# KiCad board STM32.kicad_pcb (continued)
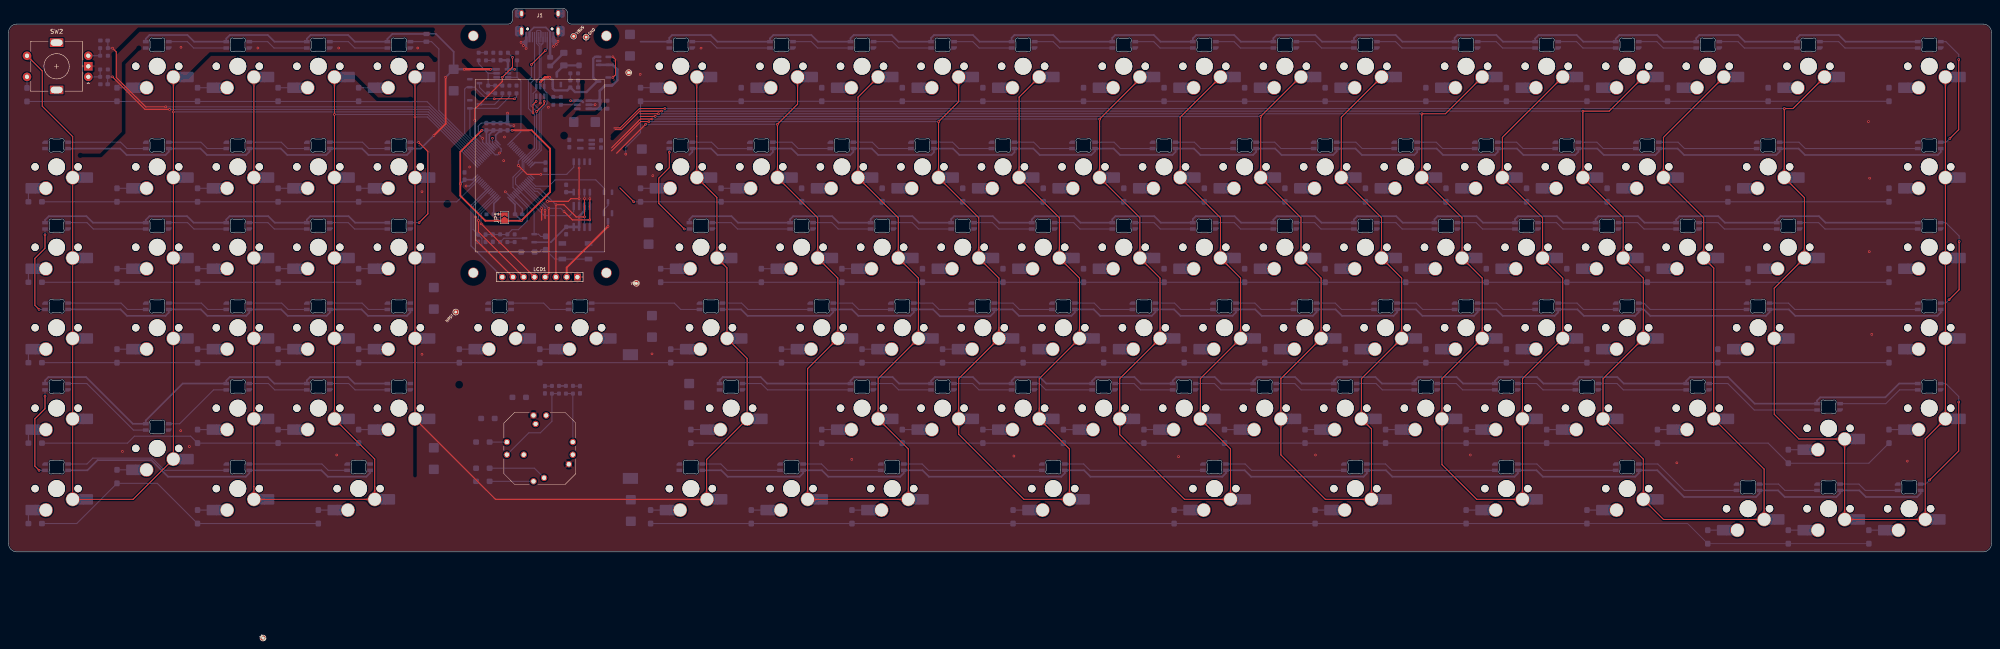
[diagram p0: board, top side]
## Routing (per net, layer and track width the routed paths; a pad name or vN(x,y) marks a point on that pad's centre or on a via; arc(x,y) is an arc through that point) (continued)
VBAT: length 6.1
  Top w0.4: v1(115.83,79.95) 117.13,79.95
  Bottom w0.4: C8.1 v1(115.83,79.95) ; 114.79,80.25 114.79,82.49 U6.1
VBUS: length 22.1
  Bottom w0.6: R4.1 139.84,109.19 141.1,110.45 Q2.2 142.75,110.45 144,111.7 144,114.26 142.92,115.34 U3.5 U3.1 ; R4.1 139.89,106.8 C15.1 U7.3 ; R4.1 U7.1
VDD: length 8.5
  Bottom w0.55: v1(132.95,106.85) U7.6 135.55,106.85 135.9,106.5 ; C23.1 118.08,116.44 ; v1(119.73,114.29) U8.1 118.13,114.31 R18.1
(no net): length 14.2
  Bottom w0.25: 195.08,58.92 199.59,58.92 201.09,57.42 208.68,57.42
BOARD_NFAULT: length 2.1
  Top w0.25: 114.49,97.95 v1(114.48,97.95)
  Bottom w0.25: 141.65,106.84 R4.2 ; v1(114.48,97.95) 114.48,96.81 U6.30
BOOT0: length 18.7
  Bottom w0.25: U6.61 122.7,81.52 122.7,78.4 120.6,76.3 119.1,76.3 R2.2 117.95,75.15 C13.2
BOOT0_CHRG: length 14.5
  Bottom w0.25: D120.2 127.02,74.7 125.9,74.7 125.36,75.24 Q3.1 124.34,80.59 U6.60
CC1: length 45.8
  Top w0.25: v1(124.82,106.7) 124.05,105.93 v1(124.05,103.95) ; v1(126.98,118.7) v1(123.68,115.4)
  Bottom w0.25: J1.B5 127.43,119.15 v1(126.98,118.7) ; v1(123.68,115.4) 123.68,112.4 122.98,111.7 122.98,105.02 v1(124.05,103.95) 124.4,103.6 124.4,95.63 U6.43 121.5,92.74 121.5,90.92 119.33,88.75 119.33,86.3 U6.59 ; v1(124.82,106.7) U1.3
CC2: length 43.7
  Top w0.25: v1(126.72,106.7) 126.72,106.1 v1(124.91,104.29)
  Bottom w0.25: 124.42,121.9 124.42,111.94 123.58,111.1 123.58,105.62 v1(124.91,104.29) 124.91,95.44 U6.44 121.9,92.43 121.9,90.5 119.93,88.53 119.93,87.11 U6.57 ; 124.43,121.5 124.42,121.5 ; v1(126.72,106.7) U1.1
COL0: length 305
  Top w0.25: SW2.S1 7.99,113.89 7.99,105.55 15.19,98.36 15.19,12.45 MX100.1 29.48,12.45 MX82.1 39,21.98 v1(39,104.2) 39,112.45 MX1.1
  Bottom w0.25: U6.19 99.31,104.2 v1(39,104.2)
COL1: length 271.2
  Top w0.25: MX3.1 77.1,112.45 v1(77.1,103.6) 77.1,31.5 MX84.1 86.63,21.97 86.63,15.52 86.62,15.52 86.62,14.46 86.63,14.45 86.63,12.45 MX101.1 58.05,12.45 58.05,15.52 58.05,15.52 58.05,33.5 58.05,33.51 58.05,112.45 MX2.1
  Bottom w0.25: v1(77.1,103.6) 99.2,103.6 U6.18
COL2: length 286.1
  Top w0.25: 162.73,112.46 MX5.1 162.8,112.43 162.8,88.68 MX25.1 167.56,83.91 167.56,69.63 MX45.1 169.94,67.25 169.94,50.58 MX67.1 174.7,45.81 174.7,31.53 MX86.1 165.13,21.89 165.13,12.53 MX103.1 115.2,12.45 MX85.1 96.15,31.5 v1(96.15,103) 96.15,112.45 MX4.1
  Bottom w0.25: v1(96.15,103) 99.1,103 U6.17
COL3: length 290.4
  Top w0.25: MX7.1 200.92,107.69 200.92,88.65 MX27.1 210.45,79.13 210.45,69.6 MX47.1 215.21,64.84 215.21,50.55 MX69.1 205.69,41.02 205.69,31.5 MX87.1 212.83,24.36 212.83,12.45 MX105.1 MX104.1 189.02,12.45 189.02,43.4 MX68.1 196.16,50.55 196.16,64.84 MX46.1 191.4,69.6 191.4,79.13 MX26.1 181.87,88.65 v1(181.87,101.28) 186.64,106.04 MX6.1 ; 143.83,94.4 v1(150.71,101.28)
  Bottom w0.25: v1(181.87,101.28) v1(150.71,101.28)
COL4: length 324
  Top w0.25: MX9.1 239.02,107.69 239.02,88.65 MX29.1 248.55,79.13 248.55,69.6 MX49.1 253.31,64.84 253.31,50.55 MX71.1 243.79,41.02 243.79,31.5 MX89.1 250.93,24.36 250.93,12.45 MX106.1 240.16,12.45 224.74,27.86 MX88.1 224.74,31.5 224.74,41.02 MX70.1 234.27,52.55 234.26,52.56 234.26,64.84 MX48.1 229.5,71.6 229.5,71.61 229.5,79.13 MX28.1 219.97,88.65 219.97,101.86 224.74,106.63 MX8.1 ; 142.66,95 149.56,101.9 v1(151.47,101.9)
  Bottom w0.25: v1(219.97,101.9) v1(151.47,101.9)
COL5: length 366.1
  Top w0.25: MX10.1 267.6,112.03 v1(258.07,102.5) 258.07,88.65 MX30.1 267.6,79.13 267.6,69.6 MX50.1 272.36,64.84 272.36,50.55 MX72.1 262.84,41.02 262.84,31.5 MX90.1 262.84,27.77 278.16,12.45 MX107.1 289.03,12.45 289.03,24.36 MX91.1 281.89,31.5 281.89,41.02 MX73.1 291.41,50.55 291.41,64.84 MX51.1 286.65,69.6 286.65,79.13 MX31.1 277.12,88.65 277.12,102.93 MX11.1 ; v1(152.22,102.52) 149.48,102.52 142.66,95.7
  Bottom w0.25: v1(258.07,102.5) 258.06,102.52 v1(152.22,102.52)
COL6: length 390.8
  Top w0.25: MX13.1 315.22,102.93 315.22,88.65 MX33.1 324.75,79.13 324.75,69.6 MX53.1 329.51,64.84 329.51,50.55 MX75.1 319.99,41.02 319.99,31.5 MX93.1 322.37,29.12 322.37,12.45 MX108.1 311.46,12.45 300.94,22.97 MX92.1 300.94,31.5 300.94,41.02 MX74.1 310.46,50.55 310.46,64.84 MX52.1 305.7,69.6 305.7,79.13 MX32.1 296.17,88.65 v1(296.17,103.14) 305.5,112.46 MX12.1 ; 149.4,103.14 v1(152.98,103.14)
  Bottom w0.25: v1(296.17,103.14) v1(152.98,103.14)
COL7: length 434.1
  Top w0.25: 149.32,103.76 v1(153.74,103.76) ; MX15.1 353.32,98.17 353.32,88.65 MX35.1 362.85,79.13 362.85,69.6 MX55.1 367.61,64.84 367.61,50.55 MX77.1 358.09,41.02 358.09,31.5 MX95.1 358.09,31.49 358.09,12.45 MX109.1 347.26,12.45 339.04,20.66 MX94.1 339.04,31.5 339.04,41.02 MX76.1 348.56,50.55 348.56,64.84 MX54.1 343.8,69.6 343.8,79.13 MX34.1 334.27,88.65 v1(334.27,103.76) 339.86,103.76 MX14.1
  Bottom w0.25: 334.27,103.7 334.22,103.76 v1(153.74,103.76)
COL8: length 505.2
  Top w0.25: v1(154.5,104.38) 149.3,104.38 144.92,100 143.5,100 ; MX16.1 378.59,104.38 v1(372.37,104.38) 372.37,88.65 MX36.1 381.9,79.13 381.9,69.6 MX56.1 386.66,64.84 386.66,50.55 MX78.1 377.14,41.02 377.14,31.5 MX96.1 386.66,21.98 386.66,12.45 MX110.1 391.43,7.69 MX111.1 415.24,7.69 415.24,19.6 MX97.1 403.33,31.5 403.33,67.22 MX57.1 400.95,69.6 400.95,79.13 MX37.1 391.42,88.65 391.42,98.17 MX17.1
  Bottom w0.25: v1(372.37,104.38) v1(154.5,104.38)
COL9: length 532.6
  Top w0.25: 143.2,100.4 144.66,100.4 149.26,105 v1(155.26,105) ; MX19.1 458.1,112.45 458.1,31.5 MX98.1 453.34,26.73 453.34,7.69 MX113.1 MX112.1 434.29,7.69 434.29,26.73 434.29,26.73 434.29,26.74 423.47,26.74 417.62,32.58 MX79.1 417.62,50.55 417.62,62.45 MX58.1 424.76,69.6 424.76,83.89 MX38.1 420,88.65 420,104.99 v1(420.01,105) 422.07,105 MX18.1
  Bottom w0.25: v1(420.01,105) v1(155.26,105)
CURR_1500mA_OK: length 23.6
  Bottom w0.25: 109.26,105.05 115.75,105.05 118.48,107.78 R26.1 ; Q4.1 109.13,98.63 U6.25
CURR_3000mA_OK: length 32.3
  Top w0.25: v1(114.9,107.3) v1(119.7,107.3)
  Bottom w0.25: U6.24 107.9,99.15 107.9,109.6 108.35,110.05 Q6.1 110.25,110.05 113,107.3 v1(114.9,107.3) ; v1(119.7,107.3) 120.16,107.76 R27.1
CURR_LIM: length 12.2
  Bottom w0.25: 113.46,113.34 R25.1 R23.1 ; 113.46,113.34 111.21,115.59 R20.1 ; 113.46,113.34 U8.5
D+: length 34.5
  Bottom w0.25: 126.25,120.3 125.95,120 125.95,112.36 126.72,111.58 126.72,109.3 127.37,108.65 127.37,106.15 125.99,104.76 125.99,95.1 U6.46 ; 126.25,120.3 125.61,120.3 125.43,120.48 J1.A6 ; 126.25,120.3 126.43,120.48 J1.B6
D-: length 35.9
  Bottom w0.25: U6.45 125.54,95.36 125.54,104.76 124.07,106.23 124.07,108.55 124.82,109.3 124.82,111.58 125.55,112.31 125.55,119.78 124.93,120.39 J1.B7 124.93,123.33 125.1,123.5 125.71,123.5 125.93,123.28 J1.A7
EEP_CS: length 17.2
  Bottom w0.25: U6.58 126.71,79.62 132.73,79.62 133.7,80.59 U4.1
ENC1: length 2.6
  Bottom w0.25: SW2.S2 D119.1
ENC1_A: length 11.6
  Top w0.25: v1(126.9,80.9) 126.9,78.9
  Bottom w0.25: v1(126.9,80.9) 126.9,81.56 U6.55 ; 126.93,39.26 128.54,39.26 128.59,39.31
ENC1_B: length 11.5
  Top w0.25: v1(126.1,81.3) 126.1,78.53
  Bottom w0.25: 133.56,39.31 133.61,39.26 135.22,39.26 ; v1(126.1,81.3) 126.1,81.65 U6.56
ENC2_A: length 98.1
  Top w0.25: v1(38.1,104.8) 32.3,104.8 v1(24.6,112.5)
  Bottom w0.25: U6.20 99.42,104.8 v1(38.1,104.8) ; C21.2 23.46,112.45 R13.1 v1(24.6,112.5)
ENC2_B: length 104.7
  Top w0.25: v1(37.2,105.4) 32.43,105.4 25.5,112.33 25.5,118.4 v1(24.6,119.3)
  Bottom w0.25: C22.2 23.51,121.05 R16.2 v1(24.6,119.3) ; v1(37.2,105.4) 99.53,105.4 U6.21
FLASH_CS: length 18.6
  Top w0.25: v1(120.6,91.5) 122.7,89.4 v1(125.9,89.4)
  Bottom w0.25: v1(120.6,91.5) 120.6,92.54 U6.42 ; v1(125.9,89.4) 132.1,89.4 ; U2.1 133.7,91.1 132.1,89.5
LCD_BL_PWM: length 25.6
  Bottom w0.3: LCD1.8 109.4,72.47 109.4,82.05 U6.8
LCD_CS: length 24.9
  Top w0.25: v1(110.5,79.3) 110.5,73.91 LCD1.7
  Bottom w0.25: v1(110.5,79.3) 110.5,80.32 U6.4
LCD_DC: length 25.3
  Top w0.25: LCD1.6 111.15,75.8 v1(111.15,78.5)
  Bottom w0.25: v1(111.15,78.5) 111.15,80.26 U6.3
LCD_EN: length 20.7
  Bottom w0.25: U6.51 124.69,86.6 127.8,86.6 129.3,88.1 138.9,88.1 140.85,86.15 Q7.1
LCD_PWR: length 17.3
  Top w0.4: LCD1.2 132.03,67.33 v1(141.8,77.1)
  Bottom w0.4: 141.8,78.32 v1(141.8,77.1)
LCD_RST: length 25.6
  Top w0.25: v1(111.8,77.69) LCD1.5
  Bottom w0.25: v1(111.8,77.69) 111.8,80.2 U6.2
LED_EN: length 23.1
  Bottom w0.25: R19.1 120.3,112.4 ; 120.3,112.4 121.2,111.5 121.2,99.5 U6.33 ; 120.3,112.4 120.29,112.39 U8.3
LED_MTRX_IN: length 37.4
  Bottom w0.25: LED4.3 R28.2 100.07,120.83 101.8,119.1 101.8,104.54 U6.23
LED_NFAULT: length 30.4
  Top w0.25: v1(119.22,117.13) 119.22,114.81 v1(116.8,112.4) 116.8,111.4 110.3,104.9 v1(110.3,102.2)
  Bottom w0.25: v1(116.8,112.4) 115.46,112.4 U8.4 ; v1(110.3,102.2) 110.3,98.16 U6.26 ; v1(119.22,117.13) R18.2
LED_PWR: length 2440.7
  Top w0.4: v1(103.4,112.4) 103.4,101.4 v1(100.6,98.6)
  Top w0.55: v1(107.8,114.3) v1(114,114.3)
  Bottom w0.4: LED64.1 95.07,56.72 94.24,55.9 85.04,55.9 83.53,57.42 LED63.1 76.02,56.67 75.24,55.9 66.04,55.9 64.53,57.42 LED62.1 56.97,56.62 56.24,55.9 47.04,55.9 45.53,57.42 LED61.1 37.92,56.67 37.14,55.9 28.04,55.9 26.53,57.42 LED60.1 ; LED80.1 457.02,56.71 456.21,55.9 422.61,55.9 421.09,57.42 LED79.1 416.54,56.78 415.66,55.9 388.31,55.9 386.79,57.42 LED78.1 385.58,56.77 384.71,55.9 372.61,55.9 371.09,57.42 LED77.1 366.53,56.72 365.71,55.9 353.41,55.9 351.89,57.42 LED76.1 347.48,56.77 346.61,55.9 334.41,55.9 332.89,57.42 LED75.1 328.43,56.72 327.61,55.9 315.41,55.9 313.89,57.42 LED74.1 309.38,56.77 308.51,55.9 296.41,55.9 294.89,57.42 LED73.1 290.33,56.72 289.51,55.9 277.21,55.9 275.69,57.42 LED72.1 271.28,56.77 270.41,55.9 258.21,55.9 256.69,57.42 LED71.1 252.23,56.72 251.41,55.9 239.01,55.9 237.49,57.42 LED70.1 233.18,56.77 232.21,55.8 220.31,55.8 218.69,57.42 LED69.1 214.13,56.72 213.31,55.9 201.01,55.9 199.49,57.42 LED68.1 195.08,56.77 194.21,55.9 174.81,55.9 173.29,57.42 LED67.1 ; 161.01,94 161.74,94.74 LED25.1 166.19,95.52 167.71,94 180.11,94 180.79,94.69 LED26.1 185.19,95.52 186.71,94 199.11,94 199.84,94.74 LED27.1 204.19,95.52 205.71,94 218.26,94 218.89,94.64 LED28.1 223.39,95.52 224.91,94 237.31,94 237.94,94.64 LED29.1 242.39,95.52 243.91,94 256.11,94 256.99,94.89 LED30.1 261.39,95.52 262.91,94 275.31,94 276.04,94.74 LED31.1 280.39,95.52 281.91,94 294.38,94 295.09,94.71 LED32.1 299.59,95.52 301.11,94 313.31,94 314.14,94.84 LED33.1 318.59,95.52 320.11,94 332.51,94 333.19,94.69 LED34.1 337.79,95.52 339.31,94 351.53,94 352.24,94.71 LED35.1 356.79,95.52 358.31,94 370.56,94 371.29,94.74 LED36.1 375.79,95.52 377.31,94 389.51,94 390.34,94.84 LED37.1 394.79,95.52 396.31,94 418.11,94 418.92,94.81 LED38.1 423.39,95.52 424.91,94 456.31,94 457.02,94.71 LED39.1 ; v1(100.6,98.6) 97.52,95.52 LED24.1 95.07,94.82 94.24,94 85.14,94 83.63,95.52 LED23.1 76.02,94.88 75.14,94 65.94,94 64.43,95.52 LED22.1 56.97,94.77 56.19,94 46.94,94 45.43,95.52 LED21.1 37.92,94.77 37.14,94 27.94,94 26.43,95.52 LED20.1 ; 149.51,120.83 LED5.1 156.29,121.74 156.96,122.4 166.11,122.4 167.68,120.83 LED6.1 180.11,121.6 180.91,122.4 189.91,122.4 191.48,120.83 LED7.1 199.16,121.65 199.91,122.4 208.91,122.4 210.48,120.83 LED8.1 218.21,121.7 218.91,122.4 228.11,122.4 229.68,120.83 LED9.1 237.26,121.75 237.91,122.4 247.11,122.4 248.68,120.83 LED10.1 261.07,121.71 261.76,122.4 270.91,122.4 272.48,120.83 LED11.1 280.12,121.61 280.91,122.4 289.91,122.4 291.48,120.83 LED12.1 299.17,121.66 299.91,122.4 309.11,122.4 310.68,120.83 318.22,120.83 318.22,121.66 318.96,122.4 328.11,122.4 329.68,120.83 LED14.1 342.03,121.72 342.71,122.4 351.91,122.4 353.48,120.83 LED15.1 361.08,121.57 361.91,122.4 370.91,122.4 372.48,120.83 LED16.1 380.13,121.52 381.01,122.4 389.91,122.4 391.48,120.83 LED17.1 399.18,121.67 399.91,122.4 409.11,122.4 410.68,120.83 LED18.1 422.99,121.69 423.71,122.4 432.91,122.4 434.48,120.83 LED19.1 ; LED100.1 18.66,19.32 21.07,21.72 33.82,21.72 37.74,17.8 56.14,17.8 56.97,18.62 LED101.1 74.03,19.32 75.54,17.8 84.64,17.8 85.54,18.7 LED102.1 ; LED103.1 168.59,19.32 170.11,17.8 187.11,17.8 187.94,18.63 LED104.1 192.39,19.32 193.91,17.8 210.91,17.8 211.75,18.64 LED105.1 216.19,19.32 217.71,17.8 249.01,17.8 249.85,18.64 LED106.1 254.39,19.32 255.91,17.8 287.11,17.8 287.95,18.64 LED107.1 292.39,19.32 293.91,17.8 320.51,17.8 321.29,18.58 LED108.1 325.79,19.32 327.31,17.8 356.21,17.8 357.01,18.6 LED109.1 361.39,19.32 362.91,17.8 384.76,17.8 385.58,18.62 LED110.1 389.99,19.32 396.31,13 413.31,13 414.16,13.85 LED111.1 418.55,14.56 420.11,13 432.31,13 433.21,13.9 LED112.1 437.75,14.56 439.31,13 451.41,13 452.26,13.85 LED113.1 ; LED86.1 168.2,40.64 168.96,41.4 177.91,41.4 179.44,39.87 LED87.1 199.16,40.55 200.01,41.4 209.11,41.4 210.64,39.87 LED88.1 218.21,40.5 219.11,41.4 228.11,41.4 229.64,39.87 LED89.1 237.26,40.55 238.11,41.4 243.91,41.4 245.44,39.87 LED90.1 256.31,40.5 257.21,41.4 266.31,41.4 267.84,39.87 LED91.1 275.36,40.55 276.21,41.4 285.31,41.4 286.84,39.87 LED92.1 294.41,40.5 295.31,41.4 304.31,41.4 305.84,39.87 LED93.1 313.46,40.55 314.31,41.4 323.31,41.4 324.84,39.87 LED94.1 332.51,40.5 333.41,41.4 342.51,41.4 344.04,39.87 LED95.1 351.56,40.5 352.46,41.4 361.51,41.4 363.04,39.87 LED96.1 370.61,40.5 371.51,41.4 380.51,41.4 382.04,39.87 LED97.1 396.8,40.49 397.71,41.4 406.71,41.4 413,35.1 LED99.1 427.76,35.85 428.51,36.6 443.91,36.6 447.17,39.87 LED98.1 ; LED59.1 429.74,77.97 428.21,79.5 419.11,79.5 418.23,78.62 LED58.1 405.94,77.97 404.41,79.5 395.21,79.5 394.42,78.71 LED57.1 386.94,77.97 385.41,79.5 376.06,79.5 375.37,78.81 LED56.1 367.74,77.97 366.21,79.5 357.01,79.5 356.32,78.81 LED55.1 348.74,77.97 347.21,79.5 338.01,79.5 337.27,78.76 LED54.1 329.74,77.97 328.21,79.5 319.01,79.5 318.22,78.71 318.22,77.97 310.54,77.97 309.01,79.5 300.01,79.5 299.17,78.66 LED52.1 291.54,77.97 290.01,79.5 280.81,79.5 280.12,78.81 LED51.1 272.54,77.97 271.01,79.5 261.81,79.5 261.07,78.76 LED50.1 253.54,77.97 252.01,79.5 242.81,79.5 242.02,78.71 242.02,77.97 234.34,77.97 232.81,79.5 223.66,79.5 222.97,78.81 LED48.1 215.34,77.97 213.81,79.5 204.61,79.5 203.92,78.81 LED47.1 196.34,77.97 194.81,79.5 185.61,79.5 184.87,78.76 184.87,77.97 172.54,77.97 171.01,79.5 161.81,79.5 161.06,78.75 LED45.1 ; LED40.1 8.66,78.61 9.54,79.5 18.44,79.5 19.98,77.97 LED41.1 32.47,78.62 33.34,79.5 42.24,79.5 43.78,77.97 LED42.1 51.52,78.72 52.29,79.5 61.44,79.5 62.98,77.97 LED43.1 70.57,78.67 71.39,79.5 80.44,79.5 81.98,77.97 LED44.1 ; LED85.1 81.88,39.87 80.34,41.4 71.34,41.4 70.57,40.62 LED84.1 62.88,39.87 61.34,41.4 52.34,41.4 51.52,40.57 LED83.1 41.21,39.87 32.47,31.12 LED82.1 29.4,30.34 18.34,41.4 9.44,41.4 8.66,40.61 LED81.1 ; LED1.1 32.47,121.52 33.34,122.4 42.34,122.4 43.91,120.83 LED2.1 51.52,121.57 52.34,122.4 61.34,122.4 62.91,120.83 LED3.1 70.57,121.52 71.44,122.4 80.34,122.4 81.91,120.83 LED4.1 89.62,121.47 90.8,122.66 R28.1 101.1,122.66 105.3,118.45 C24.1 v1(103.4,112.4)
  Bottom w0.55: v1(114,114.3) 114.01,114.29 U8.6 ; v1(107.8,114.3) C24.1
MISO: length 25.1
  Top w0.25: v1(127.5,83) 132.4,83 133.04,83.64 v1(134.97,83.64) v1(134.97,90.91)
  Bottom w0.25: U6.53 124.47,85.4 125.1,85.4 v1(127.5,83) ; v1(134.97,90.91) 134.97,92.37 ; 135,92.37 U2.2 ; v1(134.97,83.64) U4.2
MOSI: length 43.8
  Top w0.25: LCD1.4 127.8,65.93 v1(127.8,81.37) ; v1(137.51,83.64) v1(137.51,78.62) 133.38,78.62 v1(131.4,80.6)
  Bottom w0.25: v1(131.4,80.6) 130.63,81.37 v1(127.8,81.37) U6.54 ; v1(137.51,83.64) U2.5 ; v1(137.51,78.62) U4.5
NRST: length 25.5
  Bottom w0.25: D121.2 113.54,71 111.97,72.56 111.97,74.28 C9.2 109.9,76.35 109.9,81.84 U6.7
PLUG_DETECT: length 1.6
  Bottom w0.25: R9.2 R15.1
RKJ-A: length 10.4
  Bottom w0.25: D118.2 SW1.1
RKJ-D: length 4.1
  Bottom w0.25: D115.2 SW1.9
RKJ-P: length 13.8
  Bottom w0.25: SW1.2 124.4,19.81 D117.2
ROT1_A: length 22.2
  Bottom w0.25: 130.21,37.47 R7.1 ; 128.58,37.44 R8.2 128.54,30.94 125.8,28.2 123.07,28.2 SW1.10 ; 130.25,37.48 128.59,37.48
ROT1_B: length 13.1
  Bottom w0.25: 133.56,37.49 131.9,37.49 ; SW1.5 133.48,37.46 R11.1
ROT2_A: length 4.6
  Bottom w0.25: R12.1 R13.2 SW2.A
ROT2_B: length 4.6
  Bottom w0.25: SW2.B R14.1 R16.1
ROW0: length 422.7
  Bottom w0.2: 82.77,106.67 D4.2
  Bottom w0.25: D4.2 82.91,106.62 99.01,106.62 U6.22 ; v1(146,94.2) 146,95.8 149.49,99.29 D5.1 D19.1 ; 4.38,106.67 82.77,106.67
ROW1: length 407
  Top w0.25: v1(147.89,82.91) 144.6,86.2
  Bottom w0.25: D39.1 D25.1 v1(147.89,82.91) ; D20.2 D24.2 106.02,82.91 U6.14
ROW2: length 365.4
  Bottom w0.25: D59.1 D45.1 ; D40.2 D44.2
ROW3: length 436.9
  Bottom w0.25: D60.2 D64.2 D67.1 D80.1
ROW4: length 363.6
  Bottom w0.25: D86.1 416.19,25.76 D99.2 440.01,21 D98.1 ; D85.2 D83.2 43.08,27.4 29.8,27.4 28.16,25.76 D81.2
ROW5: length 363.4
  Bottom w0.2: D113.1 D111.1 397.14,6.71 D110.2
  Bottom w0.25: D100.2 16.14,6.71 D82.1 35.19,16.23 D101.2 D102.2 ; D103.1 D110.2
SCK: length 42.3
  Top w0.25: v1(136.24,83.64) v1(136.24,79.32) 134.28,79.32 131.39,82.21 v1(129.49,82.21) LCD1.3
  Bottom w0.25: v1(129.49,82.21) 125.7,86 124.58,86 U6.52 ; v1(136.24,83.64) U2.6 ; U4.6 v1(136.24,79.32)
V_USB: length 13
  Bottom w0.4: J1.A4 123.23,123.16 124.27,124.2 127.09,124.2 128.13,123.16 J1.B4
  Bottom w0.55: TP1.1 133.48,121.9 133.42,121.9 ; 128.13,121.5 128.12,121.5 FB1.2
Net-(D1-A): length 3.4
  Bottom w0.25: D1.2 MX1.2
Net-(D2-K): length 3.4
  Bottom w0.25: D2.1 MX2.2
Net-(D3-A): length 3.4
  Bottom w0.25: D3.2 MX3.2
Net-(D4-K): length 3.4
  Bottom w0.25: D4.1 MX4.2
Net-(D5-A): length 3.4
  Bottom w0.25: D5.2 MX5.2
Net-(D6-K): length 0.5
  Bottom w0.25: 176.39,109.57 MX6.2
Net-(D7-A): length 0.5
  Bottom w0.25: 195.44,109.57 MX7.2
Net-(D20-K): length 3.4
  Bottom w0.25: D20.1 4.72,85.53 MX20.2
Net-(D21-A): length 3.4
  Bottom w0.25: D21.2 MX21.2
Net-(D22-K): length 3.4
  Bottom w0.25: D22.1 MX22.2
Net-(D23-A): length 3.4
  Bottom w0.25: D23.2 MX23.2
Net-(D24-K): length 3.4
  Bottom w0.25: D24.1 MX24.2
Net-(D25-A): length 7
  Bottom w0.25: D25.2 MX25.2
Net-(D26-K): length 7
  Bottom w0.25: D26.1 MX26.2
Net-(D40-K): length 3.4
  Bottom w0.25: MX40.2 4.72,66.48 D40.1
Net-(D41-A): length 3.4
  Bottom w0.25: D41.2 MX41.2
Net-(D42-K): length 3.4
  Bottom w0.25: D42.1 MX42.2
Net-(D43-A): length 3.4
  Bottom w0.25: D43.2 MX43.2
Net-(D44-K): length 3.4
  Bottom w0.25: D44.1 MX44.2
Net-(D45-A): length 5.2
  Bottom w0.25: D45.2 MX45.2
Net-(D46-K): length 7
  Bottom w0.25: D46.1 MX46.2
Net-(D47-A): length 7
  Bottom w0.25: D47.2 MX47.2
Net-(D60-K): length 3.4
  Bottom w0.25: D60.1 4.72,47.43 MX60.2
Net-(D61-A): length 3.4
  Bottom w0.25: D61.2 MX61.2
Net-(D62-K): length 3.4
  Bottom w0.25: D62.1 MX62.2
Net-(D63-A): length 3.4
  Bottom w0.25: D63.2 MX63.2
Net-(D64-K): length 3.4
  Bottom w0.25: D64.1 MX64.2
Net-(D65-K): length 7
  Bottom w0.25: D65.1 MX65.2
Net-(D66-K): length 7
  Bottom w0.25: D66.1 MX66.2
Net-(D67-A): length 7
  Bottom w0.25: D67.2 MX67.2
Net-(D68-K): length 7
  Bottom w0.25: D68.1 MX68.2
Net-(D69-A): length 7
  Bottom w0.25: D69.2 MX69.2
Net-(D70-K): length 7
  Bottom w0.25: D70.1 MX70.2
Net-(D81-K): length 3.4
  Bottom w0.25: MX81.2 4.72,28.38 D81.1
Net-(D82-A): length 7
  Bottom w0.25: D82.2 MX82.2
Net-(D83-K): length 3.4
  Bottom w0.25: D83.1 MX83.2
Net-(D84-A): length 3.4
  Bottom w0.25: D84.2 MX84.2
Net-(D85-K): length 3.4
  Bottom w0.25: D85.1 MX85.2
Net-(D86-A): length 7
  Bottom w0.25: D86.2 MX86.2
Net-(D87-A): length 7
  Bottom w0.25: D87.2 MX87.2
Net-(D88-K): length 7
  Bottom w0.25: D88.1 MX88.2
Net-(D89-A): length 7
  Bottom w0.25: D89.2 MX89.2
Net-(D90-K): length 7
  Bottom w0.25: D90.1 MX90.2
Net-(D91-A): length 7
  Bottom w0.25: D91.2 MX91.2
Net-(D92-K): length 7
  Bottom w0.25: D92.1 MX92.2
Net-(D93-A): length 7
  Bottom w0.25: D93.2 MX93.2
Net-(D94-K): length 7
  Bottom w0.25: D94.1 MX94.2
Net-(D95-A): length 7
  Bottom w0.25: D95.2 MX95.2
Net-(D96-K): length 7
  Bottom w0.25: D96.1 MX96.2
Net-(D97-A): length 7
  Bottom w0.25: D97.2 MX97.2
Net-(D98-A): length 7
  Bottom w0.25: D98.2 MX98.2
Net-(D99-K): length 7
  Bottom w0.25: D99.1 MX99.2
Net-(D100-K): length 3.4
  Bottom w0.25: MX100.2 4.72,9.33 D100.1
Net-(D101-K): length 7
  Bottom w0.25: D101.1 MX101.2
Net-(D102-K): length 7
  Bottom w0.25: D102.1 MX102.2
Net-(D103-A): length 7
  Bottom w0.25: D103.2 MX103.2
Net-(D104-K): length 7
  Bottom w0.25: D104.1 MX104.2
Net-(D105-A): length 7
  Bottom w0.25: D105.2 MX105.2
Net-(D106-A): length 7
  Bottom w0.25: D106.2 MX106.2
Net-(D107-A): length 7
  Bottom w0.25: D107.2 MX107.2
Net-(D108-A): length 7
  Bottom w0.25: D108.2 MX108.2
Net-(D109-A): length 7
  Bottom w0.25: D109.2 MX109.2
Net-(D110-K): length 7
  Bottom w0.25: D110.1 MX110.2
Net-(D111-A): length 7
  Bottom w0.25: D111.2 MX111.2
Net-(D112-K): length 7
  Bottom w0.25: D112.1 MX112.2
Net-(D113-A): length 7
  Bottom w0.25: D113.2 MX113.2
Net-(D120-K): length 13.9
  Bottom w0.25: D121.1 125.45,71 125.98,71.53 D120.1 129.23,69.35 RESET1.2 RESET1.2
Net-(LED1-DIN): length 14.2
  Bottom w0.25: LED2.2 43.81,119.33 42.31,120.83 LED1.3
Net-(LED2-DIN): length 14.2
  Bottom w0.25: LED2.3 61.31,120.83 62.81,119.33 LED3.2
Net-(LED3-DIN): length 14.2
  Bottom w0.25: LED4.2 81.91,119.33 80.41,120.83 LED3.3
Net-(LED5-DIN): length 19
  Bottom w0.25: LED5.3 166.08,120.83 167.58,119.33 LED6.2
Net-(LED6-DIN): length 14.2
  Bottom w0.25: LED7.2 191.38,119.33 189.88,120.83 LED6.3
Net-(LED7-DIN): length 14.2
  Bottom w0.25: LED8.2 210.58,119.33 209.08,120.83 LED7.3
Net-(LED8-DIN): length 14.2
  Bottom w0.25: LED8.3 228.08,120.83 229.58,119.33 LED9.2
Net-(LED10-DIN): length 14.2
  Bottom w0.25: LED10.3 270.88,120.83 272.38,119.33 LED11.2
Net-(LED10-DOUT): length 19
  Bottom w0.25: LED10.2 248.58,119.33 247.08,120.83 LED9.3
Net-(LED11-DIN): length 14.2
  Bottom w0.25: LED12.2 291.38,119.33 289.88,120.83 285.57,120.83
Net-(LED12-DIN): length 14.2
  Bottom w0.25: LED12.3 309.08,120.83 310.58,119.33 318.22,119.33
Net-(LED13-DIN): length 19
  Bottom w0.25: LED14.2 329.58,119.33 328.08,120.83 LED13.3
Net-(LED14-DIN): length 14.2
  Bottom w0.25: LED15.2 353.38,119.33 351.88,120.83 LED14.3
Net-(LED15-DIN): length 14.2
  Bottom w0.25: LED16.2 372.38,119.33 370.88,120.83 LED15.3
Net-(LED16-DIN): length 14.2
  Bottom w0.25: LED17.2 391.38,119.33 389.88,120.83 LED16.3
Net-(LED17-DIN): length 19
  Bottom w0.25: LED18.2 410.58,119.33 409.08,120.83 LED17.3
Net-(LED18-DIN): length 23.7
  Bottom w0.25: LED18.3 432.88,120.83 434.38,119.33 LED19.2
Net-(LED19-DIN): length 28.8
  Top w0.25: v1(461.26,116.6) 461.26,100 v1(459.16,97.9)
  Bottom w0.25: v1(459.16,97.9) 458.28,97.02 LED39.2 ; LED19.3 458.23,120.83 461.26,117.8 v1(461.26,116.6)
Net-(LED20-DOUT): length 19
  Bottom w0.25: LED21.3 28.03,95.52 26.53,97.02 LED20.2
Net-(LED21-DOUT): length 14.2
  Bottom w0.25: LED21.2 45.53,97.02 47.03,95.52 LED22.3
Net-(LED22-DOUT): length 14.2
  Bottom w0.25: LED23.3 66.03,95.52 64.53,97.02 LED22.2
Net-(LED23-DOUT): length 14.2
  Bottom w0.25: LED24.3 85.23,95.52 83.73,97.02 LED23.2
Net-(LED24-DOUT): length 24.8
  Top w0.25: v1(97,97) 99.19,94.81 99.19,80.05 v1(97.11,77.97)
  Bottom w0.25: LED24.2 96.98,97.02 v1(97,97) ; v1(97.11,77.97) LED44.3
Net-(LED25-DIN): length 23.8
  Top w0.25: v1(159.86,76.47) 153.81,82.52 153.81,88.5 156.29,90.99 v1(156.29,94.65)
  Bottom w0.25: v1(156.29,94.65) LED25.3 ; v1(159.86,76.47) LED45.2
Net-(LED25-DOUT): length 14.2
  Bottom w0.25: LED25.2 166.29,97.02 167.81,95.5 175.33,95.5 LED26.3
Net-(LED26-DOUT): length 14.2
  Bottom w0.25: LED27.3 186.79,95.52 185.29,97.02 LED26.2
Net-(LED27-DOUT): length 14.2
  Bottom w0.25: LED27.2 204.29,97.02 205.79,95.52 LED28.3
Net-(LED28-DOUT): length 14.2
  Bottom w0.25: LED28.2 223.29,97.02 224.79,95.52 LED29.3
Net-(LED29-DOUT): length 14.2
  Bottom w0.25: LED30.3 243.99,95.52 242.49,97.02 LED29.2
Net-(LED30-DOUT): length 14.2
  Bottom w0.25: LED30.2 261.49,97.02 262.99,95.52 LED31.3
Net-(LED31-DOUT): length 14.2
  Bottom w0.25: LED31.2 280.49,97.02 281.99,95.52 LED32.3
Net-(LED32-DOUT): length 14.2
  Bottom w0.25: LED32.2 299.49,97.02 300.99,95.52 LED33.3
Net-(LED33-DOUT): length 14.2
  Bottom w0.25: LED34.3 320.19,95.52 318.69,97.02 LED33.2
Net-(LED34-DOUT): length 14.2
  Bottom w0.25: LED34.2 337.69,97.02 339.19,95.52 LED35.3
Net-(LED35-DOUT): length 14.2
  Bottom w0.25: LED36.3 358.19,95.52 356.69,97.02 LED35.2
Net-(LED36-DOUT): length 14.2
  Bottom w0.25: LED37.3 377.19,95.52 375.69,97.02 LED36.2
Net-(LED37-DOUT): length 23.7
  Bottom w0.25: LED38.3 396.39,95.52 394.89,97.02 LED37.2
Net-(LED38-DOUT): length 33.3
  Bottom w0.25: LED38.2 423.49,97.02 424.99,95.52 LED39.3
Net-(LED40-DIN): length 19
  Bottom w0.25: LED40.3 18.58,77.97 20.08,76.47 LED41.2
Net-(LED40-DOUT): length 21.9
  Top w0.25: v1(8.64,75.1) 8.64,71.9 6.24,69.5 6.24,58.42 v1(7.24,57.42)
  Bottom w0.25: LED40.2 8.64,76.45 v1(8.64,75.1) ; LED60.3 v1(7.24,57.42)
Net-(LED41-DIN): length 14.2
  Bottom w0.25: LED42.2 43.88,76.47 42.38,77.97 LED41.3
Net-(LED42-DIN): length 14.2
  Bottom w0.25: LED43.2 62.88,76.47 61.38,77.97 LED42.3
Net-(LED43-DIN): length 14.2
  Bottom w0.25: LED44.2 81.88,76.47 80.38,77.97 LED43.3
Net-(LED45-DIN): length 19
  Bottom w0.25: 184.87,76.47 172.44,76.47 170.94,77.97 LED45.3
Net-(LED46-DIN): length 14.2
  Bottom w0.25: LED47.2 196.24,76.47 194.74,77.97 LED46.3
Net-(LED47-DIN): length 14.2
  Bottom w0.25: LED47.3 213.74,77.97 215.24,76.47 LED48.2
Net-(LED48-DIN): length 14.2
  Bottom w0.25: 242.02,76.47 234.24,76.47 232.74,77.97 LED48.3
Net-(LED49-DIN): length 14.2
  Bottom w0.25: LED50.2 253.44,76.47 251.94,77.97 LED49.3
Net-(LED50-DIN): length 14.2
  Bottom w0.25: LED50.3 270.94,77.97 272.44,76.47 LED51.2
Net-(LED51-DIN): length 14.2
  Bottom w0.25: 285.57,77.97 289.94,77.97 291.44,76.47 LED52.2
Net-(LED52-DIN): length 14.2
  Bottom w0.25: LED52.3 308.94,77.97 310.44,76.47 318.22,76.47
Net-(LED53-DIN): length 14.2
  Bottom w0.25: LED53.3 328.14,77.97 329.64,76.47 LED54.2
Net-(LED54-DIN): length 14.2
  Bottom w0.25: LED55.2 348.64,76.47 347.14,77.97 LED54.3
Net-(LED55-DIN): length 14.2
  Bottom w0.25: LED55.3 366.14,77.97 367.64,76.47 LED56.2
Net-(LED56-DIN): length 14.2
  Bottom w0.25: LED56.3 385.34,77.97 386.84,76.47 LED57.2
Net-(LED57-DIN): length 19
  Bottom w0.25: 399.87,77.97 404.34,77.97 405.84,76.47 LED58.2
Net-(LED58-DIN): length 28.5
  Bottom w0.25: LED58.3 428.14,77.97 429.64,76.47 LED59.2
Net-(LED59-DIN): length 24
  Top w0.25: v1(458.96,59.7) 461.36,62.1 v1(461.36,73.5)
  Bottom w0.25: v1(458.96,59.7) 458.18,58.92 LED80.2 ; LED59.3 458.19,77.97 461.36,74.8 v1(461.36,73.5)
Net-(LED60-DOUT): length 19
  Bottom w0.25: LED60.2 26.63,58.92 28.13,57.42 LED61.3
Net-(LED61-DOUT): length 14.2
  Bottom w0.25: LED62.3 47.13,57.42 45.63,58.92 LED61.2
Net-(LED62-DOUT): length 14.2
  Bottom w0.25: LED62.2 64.63,58.92 66.13,57.42 LED63.3
Net-(LED63-DOUT): length 14.2
  Bottom w0.25: LED63.2 83.63,58.92 85.13,57.42 LED64.3
Net-(LED65-DOUT): length 14.2
  Bottom w0.25: LED66.3 128.08,57.42 126.58,58.92 LED65.2
Net-(LED66-DOUT): length 26.1
  Bottom w0.25: LED67.3 158.98,57.42 157.48,58.92 LED66.2
Net-(LED67-DOUT): length 21.4
  Bottom w0.25: LED67.2 173.39,58.92 174.89,57.42 LED68.3
Net-(LED69-DOUT): length 14.2
  Bottom w0.25: LED70.3 220.09,57.42 218.59,58.92 LED69.2
Net-(LED70-DOUT): length 14.2
  Bottom w0.25: LED71.3 239.09,57.42 237.59,58.92 LED70.2
Net-(LED71-DOUT): length 14.2
  Bottom w0.25: LED72.3 258.29,57.42 256.79,58.92 LED71.2
Net-(LED72-DOUT): length 14.2
  Bottom w0.25: LED72.2 275.79,58.92 277.29,57.42 LED73.3
Net-(LED73-DOUT): length 14.2
  Bottom w0.25: LED74.3 296.29,57.42 294.79,58.92 LED73.2
Net-(LED74-DOUT): length 14.2
  Bottom w0.25: LED74.2 313.79,58.92 315.29,57.42 LED75.3
Net-(LED75-DOUT): length 14.2
  Bottom w0.25: LED75.2 332.99,58.92 334.49,57.42 LED76.3
Net-(LED76-DOUT): length 14.2
  Bottom w0.25: LED77.3 353.49,57.42 351.99,58.92 LED76.2
Net-(LED77-DOUT): length 14.2
  Bottom w0.25: LED77.2 370.99,58.92 372.49,57.42 LED78.3
Net-(LED78-DOUT): length 26.1
  Bottom w0.25: LED78.2 386.79,58.92 388.29,57.42 LED79.3
Net-(LED79-DOUT): length 35.7
  Bottom w0.25: LED80.3 422.49,57.42 420.99,58.92 LED79.2
Net-(LED81-DIN): length 22.9
  Bottom w0.25: LED81.3 18.53,39.87 29.56,28.84 LED82.2
Net-(LED82-DIN): length 16.9
  Bottom w0.25: LED83.2 48.51,38.37 40.49,30.34 LED82.3
Net-(LED83-DIN): length 14.2
  Bottom w0.25: LED83.3 61.48,39.87 62.98,38.37 LED84.2
Net-(LED84-DIN): length 14.2
  Bottom w0.25: LED84.3 80.48,39.87 81.98,38.37 LED85.2
Net-(LED86-DIN): length 26.1
  Bottom w0.25: LED87.2 179.54,38.37 178.04,39.87 LED86.3
Net-(LED87-DIN): length 14.2
  Bottom w0.25: LED88.2 210.54,38.37 209.04,39.87 LED87.3
Net-(LED88-DIN): length 14.2
  Bottom w0.25: LED88.3 228.04,39.87 229.54,38.37 LED89.2
Net-(LED89-DIN): length 14.2
  Bottom w0.25: LED89.3 243.84,39.87 245.34,38.37 LED90.2
Net-(LED90-DIN): length 14.2
  Bottom w0.25: LED90.3 266.24,39.87 267.74,38.37 LED91.2
Net-(LED91-DIN): length 14.2
  Bottom w0.25: LED92.2 286.74,38.37 285.24,39.87 LED91.3
Net-(LED92-DIN): length 14.2
  Bottom w0.25: LED92.3 304.24,39.87 305.74,38.37 LED93.2
Net-(LED93-DIN): length 14.2
  Bottom w0.25: LED94.2 324.94,38.37 323.44,39.87 LED93.3
Net-(LED94-DIN): length 14.2
  Bottom w0.25: LED95.2 343.94,38.37 342.44,39.87 LED94.3
Net-(LED95-DIN): length 14.2
  Bottom w0.25: LED95.3 361.44,39.87 362.94,38.37 LED96.2
Net-(LED96-DIN): length 21.4
  Bottom w0.25: LED97.2 381.94,38.37 380.44,39.87 LED96.3
Net-(LED97-DIN): length 28.1
  Bottom w0.25: LED97.3 406.64,39.87 412.9,33.6 LED99.2
Net-(LED98-DOUT): length 19.7
  Bottom w0.25: LED99.3 444.01,35.1 447.27,38.37 LED98.2
Net-(LED100-DIN): length 21.9
  Top w0.25: v1(7.24,19.32) 6.24,20.32 6.24,31.5 8.64,33.9 v1(8.64,36.9)
  Bottom w0.25: v1(7.24,19.32) LED100.3 ; v1(8.64,36.9) 8.64,38.35 LED81.2
Net-(LED100-DOUT): length 39.2
  Bottom w0.25: LED101.3 36.9,19.32 34.02,22.2 19.94,22.2 18.56,20.82 LED100.2
Net-(LED101-DOUT): length 23.7
  Bottom w0.25: LED102.3 75.63,19.32 74.13,20.82 LED101.2
Net-(LED103-DOUT): length 19
  Bottom w0.25: LED104.3 169.99,19.32 168.49,20.82 LED103.2
Net-(LED104-DOUT): length 19
  Bottom w0.25: LED105.3 193.79,19.32 192.29,20.82 LED104.2
Net-(LED105-DOUT): length 33.3
  Bottom w0.25: LED105.2 216.09,20.82 217.59,19.32 LED106.3
Net-(LED106-DOUT): length 33.3
  Bottom w0.25: LED107.3 255.79,19.32 254.29,20.82 LED106.2
Net-(LED107-DOUT): length 28.5
  Bottom w0.25: LED107.2 292.49,20.82 293.99,19.32 LED108.3
Net-(LED108-DOUT): length 30.9
  Bottom w0.25: LED109.3 327.19,19.32 325.69,20.82 LED108.2
Net-(LED109-DOUT): length 23.7
  Bottom w0.25: LED109.2 361.49,20.82 362.99,19.32 LED110.3
Net-(LED110-DOUT): length 25.7
  Bottom w0.25: LED110.2 390.09,20.82 396.35,14.56 LED111.3
Net-(LED111-DOUT): length 14.2
  Bottom w0.25: LED111.2 418.65,16.06 420.15,14.56 LED112.3
Net-(LED112-DOUT): length 14.2
  Bottom w0.25: LED113.3 439.15,14.56 437.65,16.06 LED112.2
Net-(LED113-DOUT): length 30.7
  Top w0.25: v1(454.36,17) 461.26,23.9 v1(461.26,35.5)
  Bottom w0.25: LED113.2 453.42,16.06 v1(454.36,17) ; LED98.3 458.19,39.87 461.26,36.8 v1(461.26,35.5)
Net-(Q2-G): length 7.6
  Top w0.25: v1(142.96,117.24) 143.58,116.62 143.58,112.98 v1(142.95,112.35)
  Bottom w0.25: v1(142.95,112.35) Q2.1 ; v1(142.96,117.24) U3.4
Net-(Q3-C): length 6.2
  Bottom w0.25: Q3.3 117.19,74.29 R1.1
Net-(Q4-D): length 6.9
  Bottom w0.25: R23.2 116.81,107.81 115,106 Q4.3
Net-(Q5-G): length 3.1
  Bottom w0.25: Q7.3 141.8,82.05 140.85,81.1 Q5.1
Net-(Q6-D): length 5.3
  Bottom w0.25: Q6.3 111.4,110 112.8,108.6 R25.2 R24.2
Net-(R2-Pad1): length 1.7
  Bottom w0.25: R2.1 R3.1
Net-(R5-Pad2): length 1.8
  Bottom w0.25: R6.1 R5.2
Net-(R15-Pad2): length 1.7
  Bottom w0.25: R15.2 R17.1
Net-(R20-Pad2): length 1.7
  Bottom w0.25: R20.2 R21.2
Net-(R21-Pad1): length 1.7
  Bottom w0.25: R21.1 R22.1
Net-(U7-ILIM): length 3.9
  Bottom w0.25: R5.1 U7.5

## Copper pours and planes (outline as drawn; the poured copper is in the pictures)
GND on Top, Bottom: -7.96,134.1 -7.96,-9.9 533.04,-10.9 532.04,134.1

Small or netless copper shapes (teardrops, artwork), in the pictures only: 241 on Top, 110 on Bottom
